# Altium PCB RF-BIG-DB5AT_v1.pcbdoc (part 1 of 7)
Units mm, origin at the board's own origin, x right, y up, seen from the top; angles counter-clockwise.
Board outline 281 x 128.57 mm, 2 copper layers (Top Layer, Bottom Layer), stack 1.671 mm thick; 500 components, 260 nets, 1552 pads, 9606 vias.
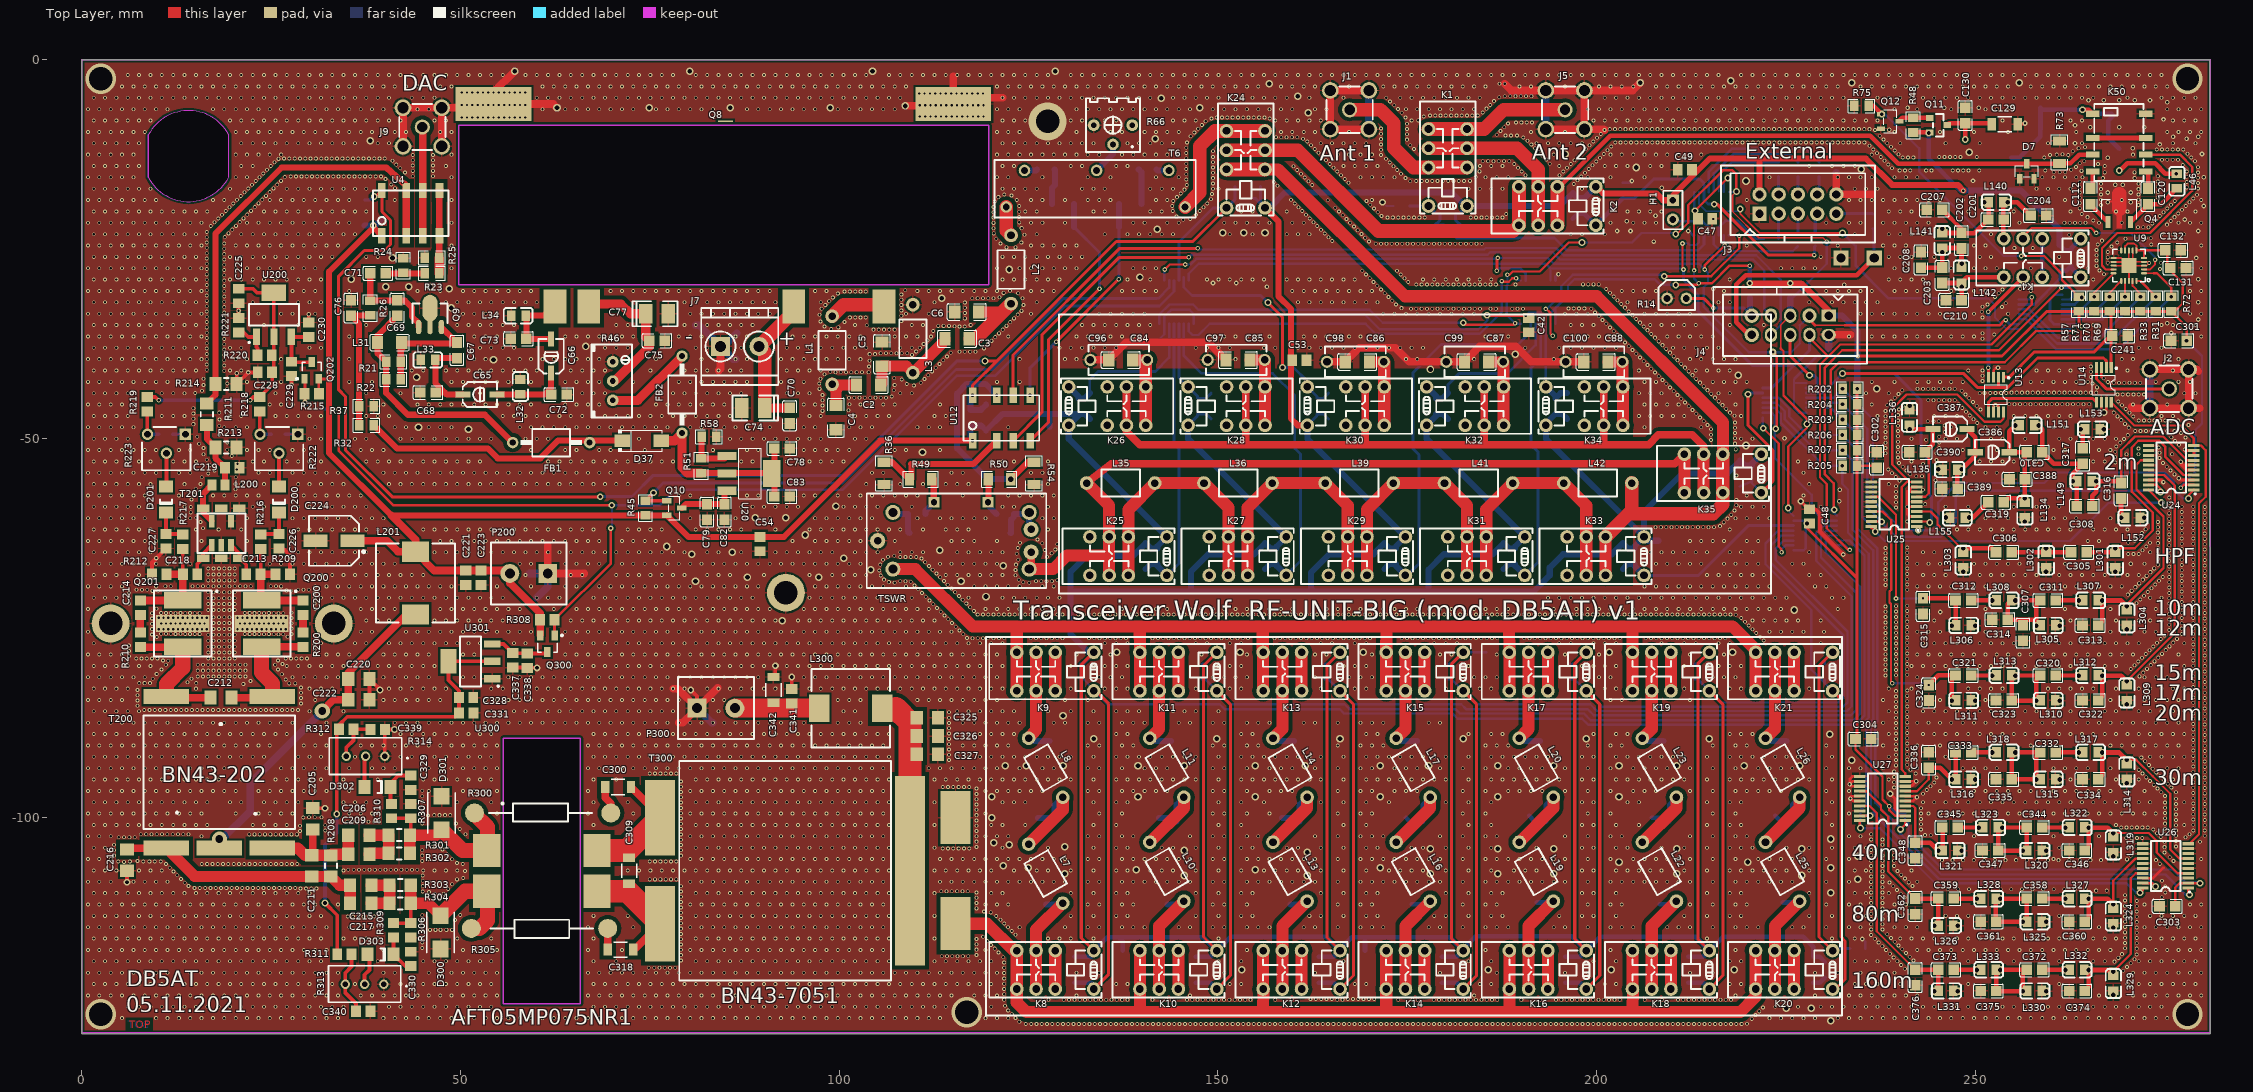
[diagram p0: Top Layer view]
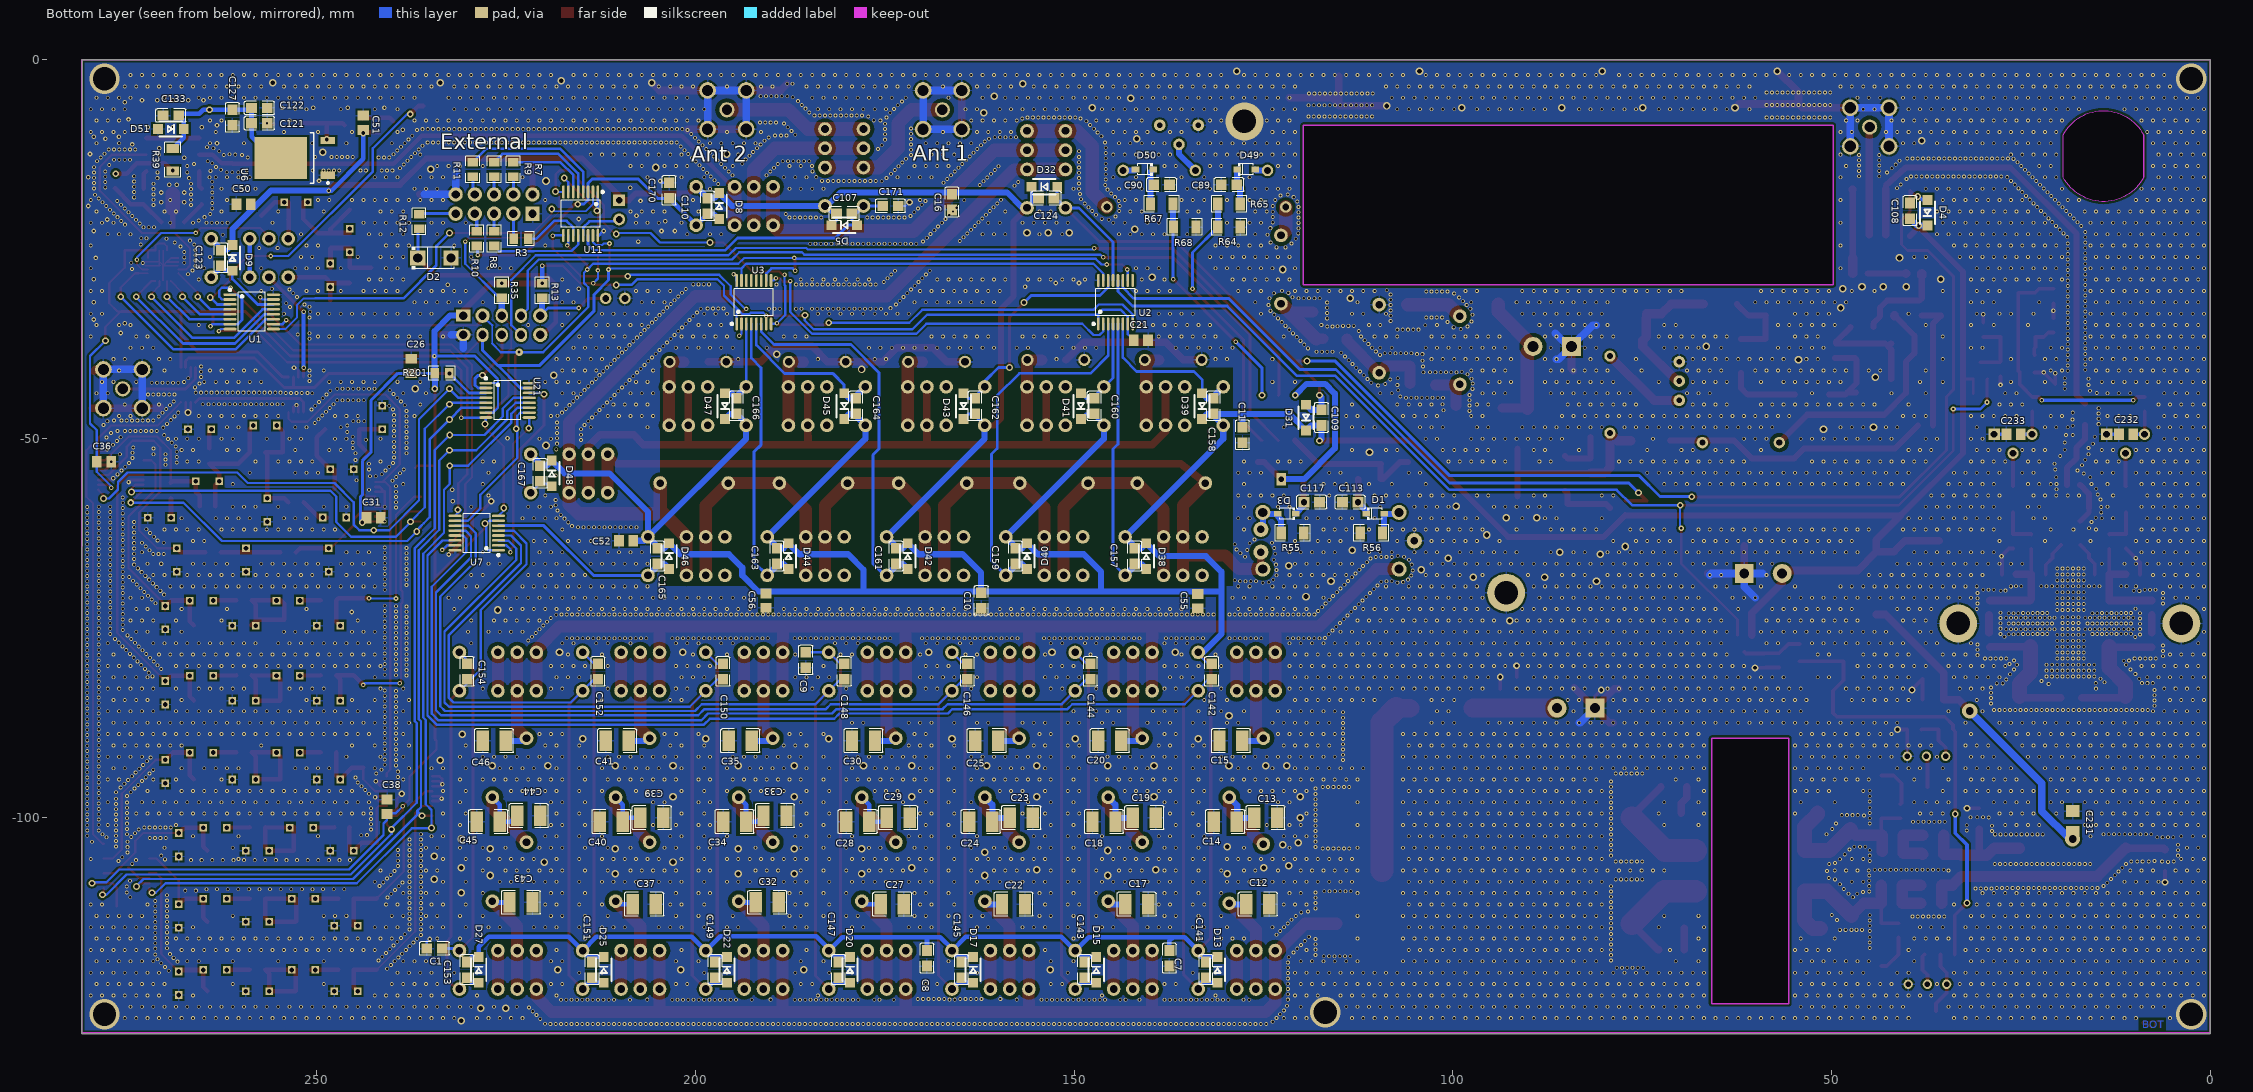
[diagram p1: Bottom Layer view, seen from below]

## Layer stack, top to bottom
Top Solder: solder mask 0.0102, Solder Resist, Dk 3.5
Top Layer: signal copper 0.0356
Dielectric1: dielectric 1.6, FR-4, Dk 4.8
Bottom Layer: signal copper 0.0356
Bottom Solder: solder mask 0.0102, Solder Resist, Dk 3.5

## Board outline
0,-128.572 0,0 280.924,0 281,-128.572
cut-out: 8.784,-15.507 ccw(c14.097,-12.72) 19.4,-15.527 19.397,-15.527 19.397,-9.902 19.395,-9.903 ccw(c14.097,-12.72) 8.8,-9.902 8.797,-9.902
cut-out: 55.665,-124.61 55.665,-89.558 65.825,-89.558 65.825,-124.61

## Design rules (kind name [scope] priority, off if disabled: settings)
Clearance HF_Clearance [InNetClass('HF_NET')] p1: gap=0.5 ignorepadtopadclearanceinfootprint=FALSE
Clearance [All] p2: gap=0.2 ignorepadtopadclearanceinfootprint=FALSE
ComponentClearance [All] p1 off: gap=0.254 collisioncheckmode=3 verticalgap=0.254 showdistances=FALSE
Height [All] p1 off: minheight=0 maxheight=25.4 prefheight=12.7
HoleSize [All] p1 off: absolutevalues=TRUE maxlimit=2.54 minlimit=0.025 maxpercent=80.000 minpercent=20.000
HoleToHoleClearance [All] p1 off: gap=0.254 allowstackedmicrovias=TRUE
LayerPairs [All] p1 off: enforce=TRUE
MinimumSolderMaskSliver [All] p1 off: minsoldermaskwidth=0.254
NetAntennae [All] p1 off: netantennaetolerance=0
PolygonConnect PolygonConnect_1 [HasFootprint('AFT09MS015NT1')] p1: connectstyle=Direct reliefconductorwidth=0.254 reliefentries=4 polygonreliefangle="90 Angle" airgapwidth=0.254
PolygonConnect [All] p2: thpad.connectstyle=Relief thpad.reliefconductorwidth=0.254 thpad.reliefentries=4 thpad.polygonreliefangle="90 Angle" thpad.airgapwidth=0.254 smdpad.connectstyle=Relief smdpad.reliefconductorwidth=0.254 smdpad.reliefentries=4 smdpad.polygonreliefangle="90 Angle" smdpad.airgapwidth=0.254 via.connectstyle=Direct via.reliefconductorwidth=0.254 via.reliefentries=4 via.polygonreliefangle="90 Angle" via.airgapwidth=0.254
RoutingVias [All] p1: holewidth=0.5 width=0.9 viastyle="Through Hole" minholewidth=0.3 minwidth=0.5 maxholewidth=4 maxwidth=5
SilkToSilkClearance [All] p1 off: silktosilkclearance=0.254
SilkToSolderMaskClearance [IsPad] p1 off: minsilkscreentomaskgap=0.254 clearancetoexposedcopper=TRUE
SolderMaskExpansion [All] p1: expansion=0.102
Width [All] p1: maxlimit=3 minlimit=0.2 preferedwidth=0.254
21 further rules are at their usual default settings.

## Classes and differential pairs
net class HF_NET: "ANT OUT" "HF AMP OUT" "HF AMP_IN" "HF BPF_OUT" "HF SWR_OUT" "HF TUNER_OUT" NetC2_1 NetC2_2 NetC3_1 NetC12_2 NetC13_2 NetC15_2 NetC17_2 NetC18_2 NetC20_2 NetC22_2 NetC23_2 NetC25_2 NetC27_2 NetC28_2 NetC30_2 NetC32_2 NetC33_2 NetC35_2 NetC37_2 NetC39_2 NetC41_2 NetC43_2 NetC44_2 NetC46_2 NetC65_1 NetC65_2 NetC66_2 NetC67_1 NetC69_1 NetC69_2 NetC70_1 NetC71_1 NetC75_1 NetC84_1 NetC85_1 NetC86_1 NetC87_1 NetC88_1 NetC205_1 NetC206_1 NetC211_1 NetC215_1 NetC300_1 NetC300_2 NetC309_1 NetC318_2 NetC325_2 NetD300_2 NetD301_2 NetJ1_5 NetJ5_5 NetJ9_5 NetK8_3 NetK9_3 NetK10_3 NetK11_3 NetK12_3 NetK13_3 NetK14_3 NetK15_3 NetK16_3 NetK17_3 NetK18_3 NetK19_3 NetK20_3 NetK21_3 NetK26_4 NetL1_1 "TX LNA BYPASS" "VHF AMP_IN" "VHF BPF_OUT" "VHF SWR_OUT"
component class U_HF_AMP: C300 C309 C318 C325 C326 C327 C328 C329 C330 C331 C337 C338 C339 C340 C341 C342 D300 D301 D302 D303 L300 P300 Q300 R300 R301 R302 R303 R304 R305 R306 R307 R308 R309 R310 R311 R312 R313 R314 T300 U300 U301
component class U_HF_AMP_DRIVER: C200 C205 C206 C209 C211 C212 C213 C214 C215 C216 C217 C218 C219 C220 C221 C222 C223 C224 C225 C226 C227 C228 C229 C230 C231 C232 C233 D200 D201 L200 L201 P200 Q200 Q201 Q202 R200 R208 R209 R210 R211 R212 R213 R214 R215 R216 R217 R218 R219 R220 R221 R222 R223 T200 T201 U200
component class RF-BIG-DB5AT_main_v1: C1 C2 C3 C4 C5 C6 C7 C8 C9 C10 C11 C12 C13 C14 C15 C16 C17 C18 C19 C20 C21 C22 C23 C24 C25 C26 C27 C28 C29 C30 C31 C32 C33 C34 C35 C36 C37 C38 C39 C40 C41 C42 C43 C44 C45 C46 C47 C48 C49 C50 C51 C52 C53 C54 C55 C56 C65 C66 C67 C68 C69 C70 C71 C72 C73 C74 C75 C76 C77 C78 C79 C82 C83 C84 C85 C86 C87 C88 C89 C90 C96 C97 C98 C99 C100 C107 C108 C109 C110 C112 C113 C117 C120 C121 C122 C123 C124 C127 C129 C130 C131 C132 C133 C141 C142 C143 C144 C145 C146 C147 C148 C149 C150 C151 C152 C153 C154 C157 C158 C159 C160 C161 C162 C163 C164 C165 C166 C167 C170 C171 C201 C202 C203 C204 C207 C208 C210 C241 C301 C302 C303 C304 C305 C306 C307 C308 C310 C311 C312 C313 C314 C315 C316 C317 C319 C320 C321 C322 C323 C324 C332 C333 C334 C335 C336 C344 C345 C346 C347 C348 C358 C359 C360 C361 C362 C372 C373 C374 C375 C376 C386 C387 C388 C389 C390 D1 D2 D3 D4 D5 D7 D8 D9 D13 D15 D17 D20 D22 D25 D27 D31 D32 D37 D38 D39 D40 D41 D42 D43 D44 D45 D46 D47 D48 D49 D50 D51 FB1 FB2 H1 J1 J2 J3 J4 J5 J7 J9 K1 K2 K4 K8 K9 K10 K11 K12 K13 K14 K15 K16 K17 K18 K19 K20 K21 K24 K25 K26 K27 K28 K29 K30 K31 K32 K33 K34 K35 K50 L1 L2 L3 L7 L8 L10 L11 L13 L14 L16 L17 L19 L20 L22 L23 L25 L26 L31 L32 L33 L34 L35 L36 L39 L41 L42 L46 L134 L135 L136 L140 L141 L142 L149 L151 L152 L153 L155 L301 L302 L303 L304 L305 L306 L307 L308 L309 L310 L311 L312 L313 L314 L315 L316 L317 L318 L319 L320 L321 L322 L323 L324 L325 L326 L327 L328 L329 L330 L331 L332 L333 Q4 Q8 Q9 Q10 Q11 Q12 R3 R7 R8 R9 R10 R11 R12 R13 R14 R21 R22 R23 R24 R25 R26 R31 R32 R33 R35 R36 R37 R39 R45 R46 R48 R49 R50 R51 R54 R55 R56 R57 R58 R64 R65 R66 R67 R68 R69 R70 R71 R72 R73 R75 R201 R202 R203 R204 R205 R206 R207 T6 TSWR U1 U2 U3 U4 U6 U7 U9 U11 U12 U13 U14 U20 U21 U24 U25 U26 U27

## Components (designator, comment, footprint, x,y, rotation, side; value= is the part's Value field where it differs from the comment)
C1 "100n" C0805#1 234.442,-117.348 r180 bottom
C2 "2pF" C1206 103.886,-42.926 r180 top
C3 "2pF" C1206 115.57,-36.83 r180 top
C4 "5pF" C1206 99.568,-47.244 r90 top
C5 "5pF" C1206 105.664,-38.862 r270 top
C6 "5pF" C1206 116.84,-33.274 r0 top
C7 "100n" C0805#1 137.414,-118.618 r90 bottom
C8 "100n" C0805#1 169.418,-118.618 r90 bottom
C9 "100n" C0805#1 185.42,-79.248 r90 bottom
C10 "100n" C0805#1 162.238,-71.374 r90 bottom
C11 "100n" C0805#1 127.762,-49.53 r90 bottom
C12 "15+10pF" C1210 125.73,-111.506 r180 bottom
C13 "10+10pF" C1210 124.714,-100.076 r180 bottom
C14 "100pF" C1210 130.048,-100.584 r0 bottom
C15 "15+10pF" C1210 129.286,-89.916 r0 bottom
C16 "100n" C0805#1 166.116,-18.796 r90 bottom
C17 "100pF" C1210 141.732,-111.506 r180 bottom
C18 "100+22pF" C1210 146.05,-100.584 r0 bottom
C19 "100pF" C1210 140.716,-100.076 r180 bottom
C20 "100pF" C1210 145.288,-89.916 r0 bottom
C21 "100n" CAP_0805 140.97,-37.02 r0 bottom
C22 "150pF" C1210 157.988,-111.506 r180 bottom
C23 "47pF" C1210 156.972,-100.076 r180 bottom
C24 "220pF" C1210 162.306,-100.584 r0 bottom
C25 "150pF" C1210 161.544,-89.916 r0 bottom
C26 "100n" CAP_0805 237.503,-40.23 r270 bottom
C27 "220pF" C1210 173.99,-111.506 r180 bottom
C28 "150pF" C1210 178.562,-100.584 r0 bottom
C29 "330pF" C1210 173.228,-100.076 r180 bottom
C30 "220pF" C1210 177.8,-89.916 r0 bottom
C31 "100n" CAP_0805 242.275,-60.472 r0 bottom
C32 "470pF" C1210 190.5,-111.252 r180 bottom
C33 "470pF" C1210 189.484,-99.822 r180 bottom
C34 "470pF" C1210 194.818,-100.584 r0 bottom
C35 "470pF" C1210 194.056,-89.916 r0 bottom
C36 "100n" CAP_0805 277.864,-53.086 r0 bottom
C37 "470+330pF" C1210 206.756,-111.506 r180 bottom
C38 "100n" CAP_0805 240.695,-98.425 r270 bottom
C39 "1000pF" C1210 205.74,-100.076 r180 bottom
C40 "560pF" C1210 211.074,-100.584 r0 bottom
C41 "470+330pF" C1210 210.312,-89.916 r0 bottom
C42 "100n" CAP_0805 191.008,-35.225 r90 top
C43 "1000+220pF" C1210 223.012,-111.252 r180 bottom
C44 "1000+470pF" C1210 221.996,-99.822 r180 bottom
C45 "1000pF" C1210 227.33,-100.584 r0 bottom
C46 "1000+220pF" C1210 226.568,-89.916 r0 bottom
C47 "100n" CAP_0805 214.503,-21.004 r180 top
C48 "100n" CAP_0805 228.092,-60.082 r270 top
C49 "100n" CAP_0805 211.448,-14.51 r0 top
C50 "100n" CAP_0805 259.842,-19.05 r180 bottom
C51 "100n" CAP_0805 243.84,-8.128 r270 bottom
C52 "100n" CAP_0805 209.337,-63.5 r180 bottom
C53 "100n" CAP_0805 160.952,-39.657 r180 top
C54 "100n" CAP_0805 89.535,-64.135 r90 top
C55 "100n" CAP_0805 133.656,-71.661 r90 bottom
C56 "100n" CAP_0805 190.676,-71.599 r90 bottom
C65 "6.5-30pF" CAP-ADJ-SMD_L4.5-W3.2-L 52.578,-44.196 r0 top
C66 "6.5-30pF" CAP-ADJ-SMD_L4.5-W3.2-L 61.976,-39.116 r90 top
C67 "100n" C0805#2 49.53,-38.354 r270 top
C68 "120pF" C0805#2 45.72,-43.942 r0 top
C69 "10n" C0805#2 41.656,-32.766 r270 top
C70 "4.7n" C0805#2 93.472,-46.99 r270 top
C71 "100n" C0805#2 39.116,-28.194 r180 top
C72 "100pF" C0805#2 62.992,-44.196 r180 top
C73 "120pF" C0805#2 57.658,-36.83 r0 top
C74 "22uF" CASE-B_3528 88.646,-45.974 r0 top
C75 "4.7n" C0805#2 75.946,-37.084 r0 top
C76 "100n" C0805#2 35.56,-32.766 r270 top
C77 "22uF" CASE-B_3528 75.946,-33.528 r180 top
C78 "100n" C0805#2 92.456,-51.308 r180 top
C79 "1uF" C0805#2 82.55,-59.69 r90 top
C82 "100n" C0805#2 84.836,-59.69 r90 top
C83 "1uF" C0805#2 92.456,-57.658 r180 top
C84 "10pF" C1206 137.16,-39.624 r180 top
C85 "22pF" C1206 152.654,-39.624 r180 top
C86 "47pF" C1206 168.402,-39.878 r180 top
C87 "100pF" C1206 184.15,-39.878 r180 top
C88 "220pF" C1206 199.898,-39.878 r180 top
C89 "100n" C0805#1 129.54,-16.51 r180 bottom
C90 "100n" C0805#1 138.43,-16.51 r180 bottom
C96 "*" CAP-TH_L8.0-W4.0-P7.50-D0.6 136.906,-39.624 r180 top
C97 "*" CAP-TH_L8.0-W4.0-P7.50-D0.6 152.4,-39.624 r180 top
C98 "*" CAP-TH_L8.0-W4.0-P7.50-D0.6 168.148,-39.878 r180 top
C99 "*" CAP-TH_L8.0-W4.0-P7.50-D0.6 183.896,-39.878 r180 top
C100 "*" CAP-TH_L8.0-W4.0-P7.50-D0.6 199.644,-39.878 r180 top
C107 "100n" C0805#1 180.34,-20.32 r0 bottom
C108 "100n" C0805#1 39.624,-19.939 r90 bottom
C109 "100n" C0805#1 117.348,-47.244 r90 bottom
C110 "100n" C0805#1 198.374,-19.304 r270 bottom
C112 "1n" C0805#2 265.176,-18.034 r270 top
C113 "100n" C0805#3 113.538,-58.42 r180 bottom
C117 "100n" C0805#4 118.618,-58.42 r180 bottom
C120 "1n" C0805#2 272.796,-18.034 r270 top
C121 "10n" C0805#1 257.556,-8.382 r180 bottom
C122 "1n" C0805#1 257.556,-6.35 r180 bottom
C123 "100n" C0805#1 262.636,-26.162 r270 bottom
C124 "100n" C0805#1 153.67,-18.288 r0 bottom
C127 "100p" C0805#1 261.112,-7.62 r270 bottom
C129 "=PartNumber" 1206_180 253.873,-8.509 r180 top value=10uF
C130 "100n" C0805#2 248.666,-7.366 r270 top
C131 "100n" C0805#2 276.098,-25.146 r0 top
C132 "100p" C0805#2 276.772,-27.482 r0 top
C133 "100n" C0805#1 269.24,-7.366 r180 bottom
C141 "100n" C0805#1 132.588,-120.142 r90 bottom
C142 "100n" C0805#1 131.826,-80.772 r270 bottom
C143 "100n" C0805#1 148.59,-120.142 r90 bottom
C144 "100n" C0805#1 147.828,-80.772 r270 bottom
C145 "100n" C0805#1 164.846,-120.142 r90 bottom
C146 "100n" C0805#1 164.084,-80.772 r270 bottom
C147 "100n" C0805#1 181.102,-120.142 r90 bottom
C148 "100n" C0805#1 180.34,-80.772 r270 bottom
C149 "100n" C0805#1 197.358,-120.142 r90 bottom
C150 "100n" C0805#1 196.342,-80.772 r270 bottom
C151 "100n" C0805#1 213.614,-120.142 r90 bottom
C152 "100n" C0805#1 212.852,-80.772 r270 bottom
C153 "100n" C0805#1 230.124,-120.142 r90 bottom
C154 "100n" C0805#1 230.124,-80.772 r270 bottom
C157 "100n" C0805#1 141.986,-65.532 r270 bottom
C158 "100n" C0805#1 131.572,-45.72 r90 bottom
C159 "100n" C0805#1 157.734,-65.532 r270 bottom
C160 "100n" C0805#1 147.32,-45.72 r90 bottom
C161 "100n" C0805#1 173.482,-65.532 r270 bottom
C162 "100n" C0805#1 163.068,-45.72 r90 bottom
C163 "100n" C0805#1 189.23,-65.532 r270 bottom
C164 "100n" C0805#1 178.816,-45.72 r90 bottom
C165 "100n" C0805#1 204.978,-65.532 r270 bottom
C166 "100n" C0805#1 194.564,-45.72 r90 bottom
C167 "100n" C0805#1 220.472,-54.61 r270 bottom
C170 "100n" C0805#1 203.454,-17.272 r90 bottom
C171 "100n" C0805#1 174.244,-19.304 r180 bottom
C200 "15n" CAP_0805 29.21,-72.136 r270 top
C201 "39p" C0805#2 252.73,-21.082 r180 top
C202 "68p" C0805#2 248.158,-23.876 r270 top
C203 "12p" C0805#2 245.618,-28.448 r270 top
C204 "27p" C0805#2 258.318,-20.574 r180 top
C205 "100p" CAP_1206 30.48,-100.203 r90 top
C206 "10n" CAP_1206 36.576,-102.362 r180 top
C207 "51p" C0805#2 244.602,-19.812 r0 top
C208 "68p" C0805#2 242.824,-26.416 r270 top
C209 "1n" CAP_1206 36.576,-104.902 r180 top
C210 "47p" C0805#2 247.142,-31.75 r180 top
C211 "200p" CAP_1206 30.353,-106.426 r90 top
C212 "100p" CAP_1206 18.371,-84.201 r0 top
C213 "100n" CAP_0805 22.86,-67.945 r180 top
C214 "15n" CAP_0805 7.747,-72.136 r270 top
C215 "10n" CAP_1206 36.83,-108.966 r180 top
C216 "100p" CAP_1206 5.969,-105.664 r270 top
C217 "1n" CAP_1206 36.833,-111.379 r180 top
C218 "100n" CAP_0805 14.097,-67.945 r0 top
C219 "27pF" CAP_0805 20.066,-53.848 r180 top
C220 "1n8" CAP_1206 36.576,-81.752 r0 top
C221 "1n" CAP_0805 50.706,-68.58 r90 top
C222 "2.2uF" CAP_1206 36.576,-84.503 r0 top
C223 "100n" CAP_0805 52.705,-68.587 r90 top
C224 "47uF 25V" CAPAE_6.6x6.6h5.4 33.401,-63.5 r180 top
C225 "100n" CAP_0805 20.701,-30.988 r270 top
C226 "100n" CAP_0805 26.035,-63.373 r270 top
C227 "100n" CAP_0805 11.112,-63.373 r270 top
C228 "1uF" CAP_0805 24.384,-41.275 r180 top
C229 "1uF" CAP_0805 27.686,-41.021 r90 top
C230 "100n" CAP_0805 29.972,-35.433 r270 top
C231 "2.2uF" CAP_1206 18.142,-100.584 r90 bottom
C232 "100n" CAP_0805 11.303,-49.443 r180 bottom
C233 "100n" CAP_0805 26.162,-49.443 r180 bottom
C241 "100n" C0805#2 269.084,-36.449 r0 top
C300 "PartNumber" 1206_180 70.817,-96.012 r0 top value=100nF
C301 "100n" C0805#2 276.86,-37.084 r180 top
C302 "100n" C0805#2 236.982,-52.832 r90 top
C303 "100n" C0805#2 275.336,-111.76 r180 top
C304 "100n" C0805#2 235.204,-89.662 r0 top
C305 "47pF" C0805#2 263.652,-65.024 r180 top
C306 "33pF" C0805#2 253.746,-65.024 r180 top
C307 "39pF" C0805#2 256.286,-75.692 r90 top
C308 "110pF" C0805#2 264.414,-58.928 r180 top
C309 "PartNumber" 1206_180 72.263,-107.061 r90 top value=TBD
C310 "110pF" C0805#2 257.81,-51.816 r180 top
C311 "75pF" C0805#2 259.588,-71.374 r180 top
C312 "61pF" C0805#2 248.412,-71.374 r180 top
C313 "47pF" C0805#2 265.176,-74.676 r0 top
C314 "100pF" C0805#2 253.238,-73.914 r0 top
C315 "120pF" C0805#2 243.078,-72.136 r90 top
C316 "8pF" C0805#2 269.24,-56.896 r90 top
C317 "15pF" C0805#2 264.16,-52.324 r270 top
C318 "PartNumber" 1206_180 71.12,-117.475 r180 top value=100nF
C319 "8pF" C0805#2 252.73,-58.42 r0 top
C320 "150pF" C0805#2 259.588,-81.28 r180 top
C321 "120pF" C0805#2 248.412,-81.28 r180 top
C322 "100pF" C0805#2 265.176,-84.582 r0 top
C323 "330pF" C0805#2 253.746,-84.582 r0 top
C324 "270pF" C0805#2 243.84,-83.566 r90 top
C325 "100n" CAP_1206 111.633,-86.868 r180 top
C326 "100n" CAP_1206 111.633,-89.281 r180 top
C327 "100n" CAP_1206 111.633,-91.694 r180 top
C328 "100n" CAP_0805 50.539,-84.201 r0 top
C329 "100n" CAP_0805 43.434,-95.243 r270 top
C330 "100n" CAP_0805 43.434,-118.909 r90 top
C331 "1uF" CAP_0805 50.546,-86.233 r0 top
C332 "270pF" C0805#2 259.588,-91.44 r180 top
C333 "180pF" C0805#2 248.412,-91.44 r180 top
C334 "180pF" C0805#2 265.176,-94.996 r0 top
C335 "560pF" C0805#2 253.746,-94.996 r0 top
C336 "470pF" C0805#2 243.84,-92.456 r270 top
C337 "1uF" CAP_0805 56.896,-79.488 r90 top
C338 "100n" CAP_0805 58.801,-79.529 r90 top
C339 "100n" CAP_0805 38.862,-88.418 r0 top
C340 "100n" CAP_0805 36.95,-125.603 r0 top
C341 "100n" CAP_0805 93.726,-83.82 r270 top
C342 "PartNumber" 1206_180 91.313,-83.185 r270 top value=10uF
C344 "330pF" C0805#2 257.81,-101.346 r180 top
C345 "270pF" C0805#2 246.634,-101.346 r180 top
C346 "330pF" C0805#2 263.398,-104.394 r0 top
C347 "1n" C0805#2 251.968,-104.394 r0 top
C348 "1n" C0805#2 242.062,-104.394 r90 top
C358 "820pF" C0805#2 257.81,-110.744 r180 top
C359 "680pF" C0805#2 246.126,-110.744 r180 top
C360 "470pF" C0805#2 263.398,-113.792 r0 top
C361 "1.5n" C0805#2 251.714,-113.792 r0 top
C362 "1.2n" C0805#2 242.062,-111.76 r90 top
C372 "1n" C0805#2 257.81,-120.142 r180 top
C373 "820pF" C0805#2 246.126,-120.142 r180 top
C374 "1.2n" C0805#2 263.398,-122.936 r0 top
C375 "3.3n" C0805#2 251.714,-122.936 r0 top
C376 "3.3n" C0805#2 242.062,-121.158 r90 top
C386 "6.5-30pF" CAP-ADJ-SMD_L4.5-W3.2-L 252.222,-51.816 r180 top
C387 "6.5-30pF" CAP-ADJ-SMD_L4.5-W3.2-L 246.634,-48.768 r180 top
C388 "120pF" C0805#2 255.524,-55.372 r0 top
C389 "100pF" C0805#2 246.634,-56.642 r0 top
C390 "120pF" C0805#2 242.316,-51.816 r0 top
D1 "BAT46JFILM" SOD-323_L1.8-W1.3-LS2.5-RD 110.236,-59.944 r0 bottom
D2 "SMAJ5.0A-TR" SMA_L4.3-W2.6-LS5.2-RD 234.442,-26.162 r0 bottom
D3 "BAT46JFILM" SOD-323_L1.8-W1.3-LS2.5-RD 121.92,-59.944 r180 bottom
D4 "1N4148W" SOD-123FL_L2.6-W1.6-LS3.4-RD 37.338,-20.193 r90 bottom
D5 "1N4148W" SOD-123FL_L2.6-W1.6-LS3.4-RD 180.34,-21.844 r180 bottom
D7 "BAV99" SOT-23-3_L2.9-W1.3-P1.90-LS2.4-BR 256.794,-14.732 r270 top
D8 "1N4148W" SOD-123FL_L2.6-W1.6-LS3.4-RD 196.85,-19.304 r270 bottom
D9 "1N4148W" SOD-123FL_L2.6-W1.6-LS3.4-RD 261.112,-26.162 r270 bottom
D13 "1N4148W" SOD-123FL_L2.6-W1.6-LS3.4-RD 131.064,-120.142 r270 bottom
D15 "1N4148W" SOD-123FL_L2.6-W1.6-LS3.4-RD 147.066,-120.142 r270 bottom
D17 "1N4148W" SOD-123FL_L2.6-W1.6-LS3.4-RD 163.322,-120.142 r270 bottom
D20 "1N4148W" SOD-123FL_L2.6-W1.6-LS3.4-RD 179.578,-120.142 r270 bottom
D22 "1N4148W" SOD-123FL_L2.6-W1.6-LS3.4-RD 195.834,-120.142 r270 bottom
D25 "1N4148W" SOD-123FL_L2.6-W1.6-LS3.4-RD 212.09,-120.142 r270 bottom
D27 "1N4148W" SOD-123FL_L2.6-W1.6-LS3.4-RD 228.6,-120.142 r270 bottom
D31 "1N4148W" SOD-123FL_L2.6-W1.6-LS3.4-RD 119.38,-47.244 r90 bottom
D32 "1N4148W" SOD-123FL_L2.6-W1.6-LS3.4-RD 153.924,-16.764 r180 bottom
D37 "SS14" SMA_L4.4-W2.8-LS5.4-RD 73.914,-50.292 r0 top
D38 "1N4148W" SOD-123FL_L2.6-W1.6-LS3.4-RD 140.462,-65.532 r270 bottom
D39 "1N4148W" SOD-123FL_L2.6-W1.6-LS3.4-RD 133.096,-45.72 r90 bottom
D40 "1N4148W" SOD-123FL_L2.6-W1.6-LS3.4-RD 156.21,-65.532 r270 bottom
D41 "1N4148W" SOD-123FL_L2.6-W1.6-LS3.4-RD 149.098,-45.72 r90 bottom
D42 "1N4148W" SOD-123FL_L2.6-W1.6-LS3.4-RD 171.958,-65.532 r270 bottom
D43 "1N4148W" SOD-123FL_L2.6-W1.6-LS3.4-RD 164.592,-45.72 r90 bottom
D44 "1N4148W" SOD-123FL_L2.6-W1.6-LS3.4-RD 187.706,-65.532 r270 bottom
D45 "1N4148W" SOD-123FL_L2.6-W1.6-LS3.4-RD 180.34,-45.72 r90 bottom
D46 "1N4148W" SOD-123FL_L2.6-W1.6-LS3.4-RD 203.454,-65.532 r270 bottom
D47 "1N4148W" SOD-123FL_L2.6-W1.6-LS3.4-RD 196.088,-45.72 r90 bottom
D48 "1N4148W" SOD-123FL_L2.6-W1.6-LS3.4-RD 218.948,-54.61 r270 bottom
D49 "BAT46JFILM" SOD-323_L1.8-W1.3-LS2.5-RD 127.254,-14.478 r0 bottom
D50 "BAT46JFILM" SOD-323_L1.8-W1.3-LS2.5-RD 140.716,-14.478 r180 bottom
D51 "1N4148W" SOD-123FL_L2.6-W1.6-LS3.4-RD 269.24,-9.144 r0 bottom
D200 "SS14" SS14 26.035,-58.349 r90 top
D201 "SS14" SS14 11.112,-58.349 r90 top
D300 "SMBJ9.0A" SMBJ36CATR 47.371,-115.189 r90 top
D301 "SMBJ9.0A" SMBJ36CATR 47.498,-99.441 r270 top
D302 "SS14" SS14 39.367,-96.012 r180 top
D303 "SS14" SS14 39.751,-118.11 r180 top
FB1 "BLM21" FERRITE_BEAD 61.976,-50.546 r180 top
FB2 "BLM21" FERRITE_BEAD 79.248,-44.196 r270 top
H1 "FAN_OUT" HDR-F-2.54_1X2 210.058,-19.812 r270 top
J1 "ANT1" SMA-TH_BWSMA-KE-Z001 167.386,-6.604 r0 top
J2 "ADC" SMA-TH_BWSMA-KE-Z001 275.59,-43.434 r0 top
J3 "EXTERNAL" IDC-10#1 226.568,-19.05 r0 top
J4 "MOTHERBOARD" IDC-10#2 225.552,-35.052 r180 top